# Altium PCB Board.PcbDoc (part 1 of 15)
Units mil, origin at the board's own origin, x right, y up, seen from the top; angles counter-clockwise.
Board outline 6379.64 x 4143.89 mil, 4 copper layers (Top Layer, GND, VCC, Bottom Layer); 316 components, 199 nets, 1077 pads, 596 vias.
Unrouted connection lines stored in the file: 268.
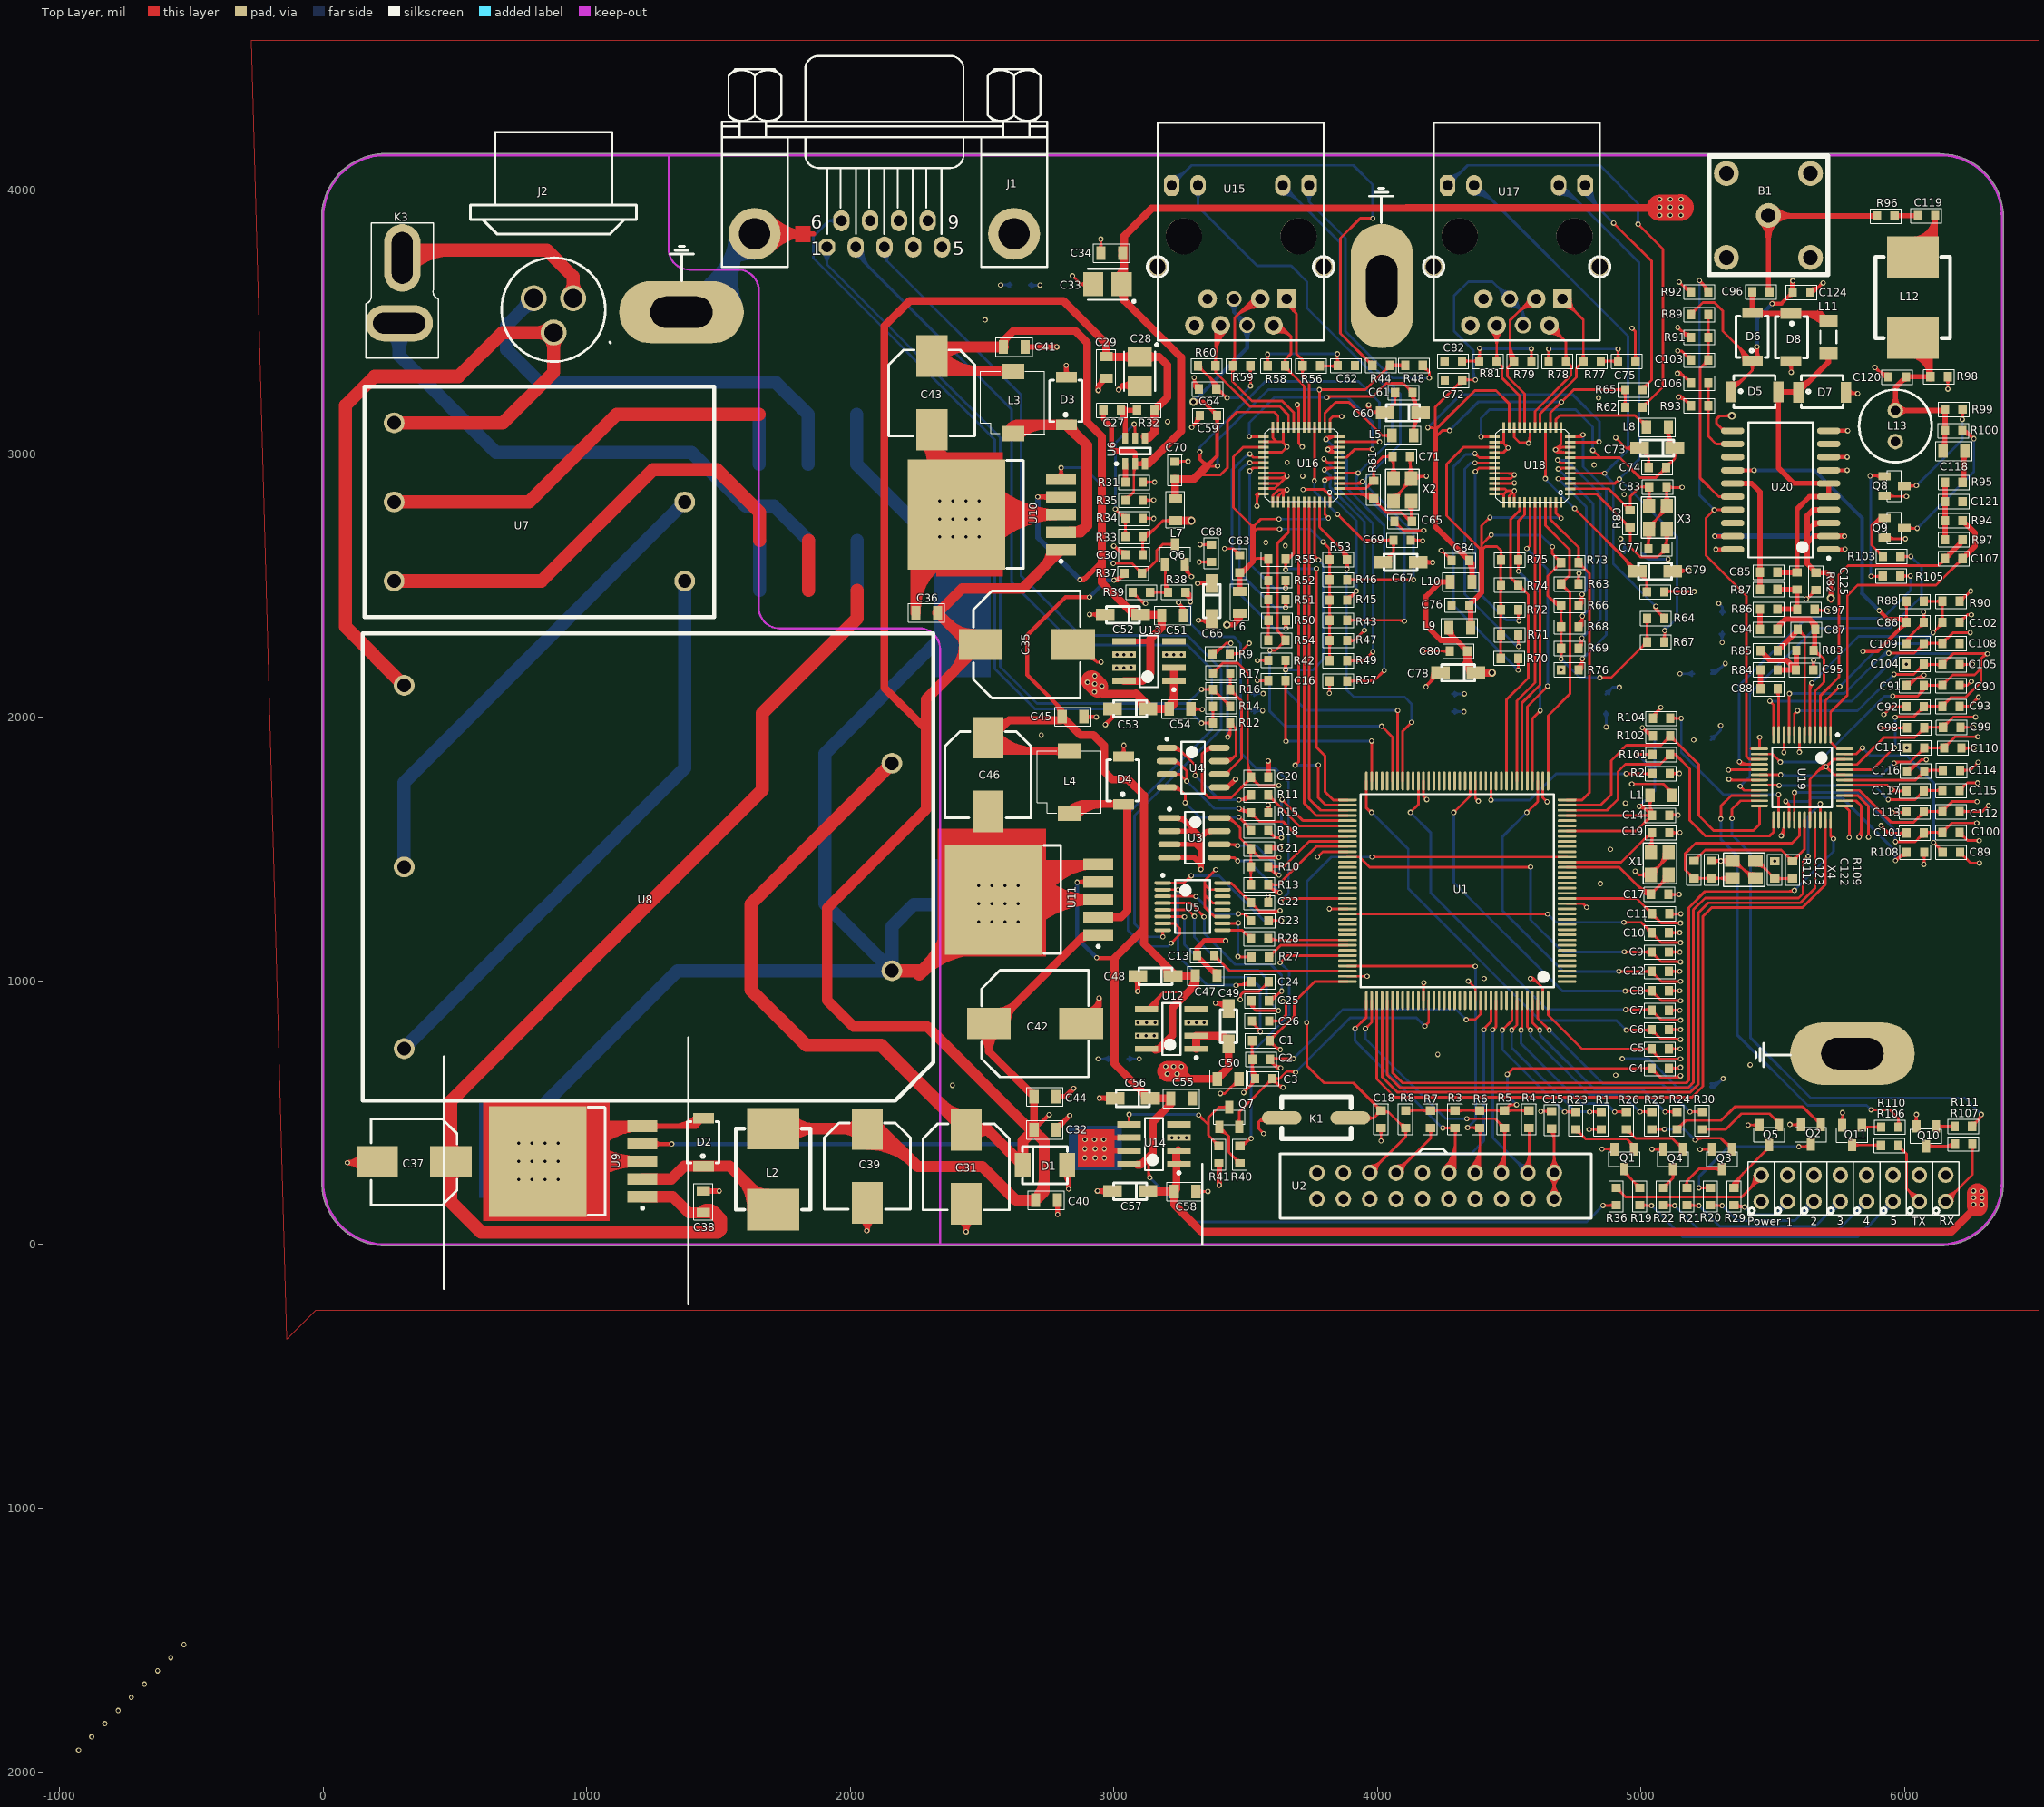
[diagram p0: Top Layer view]
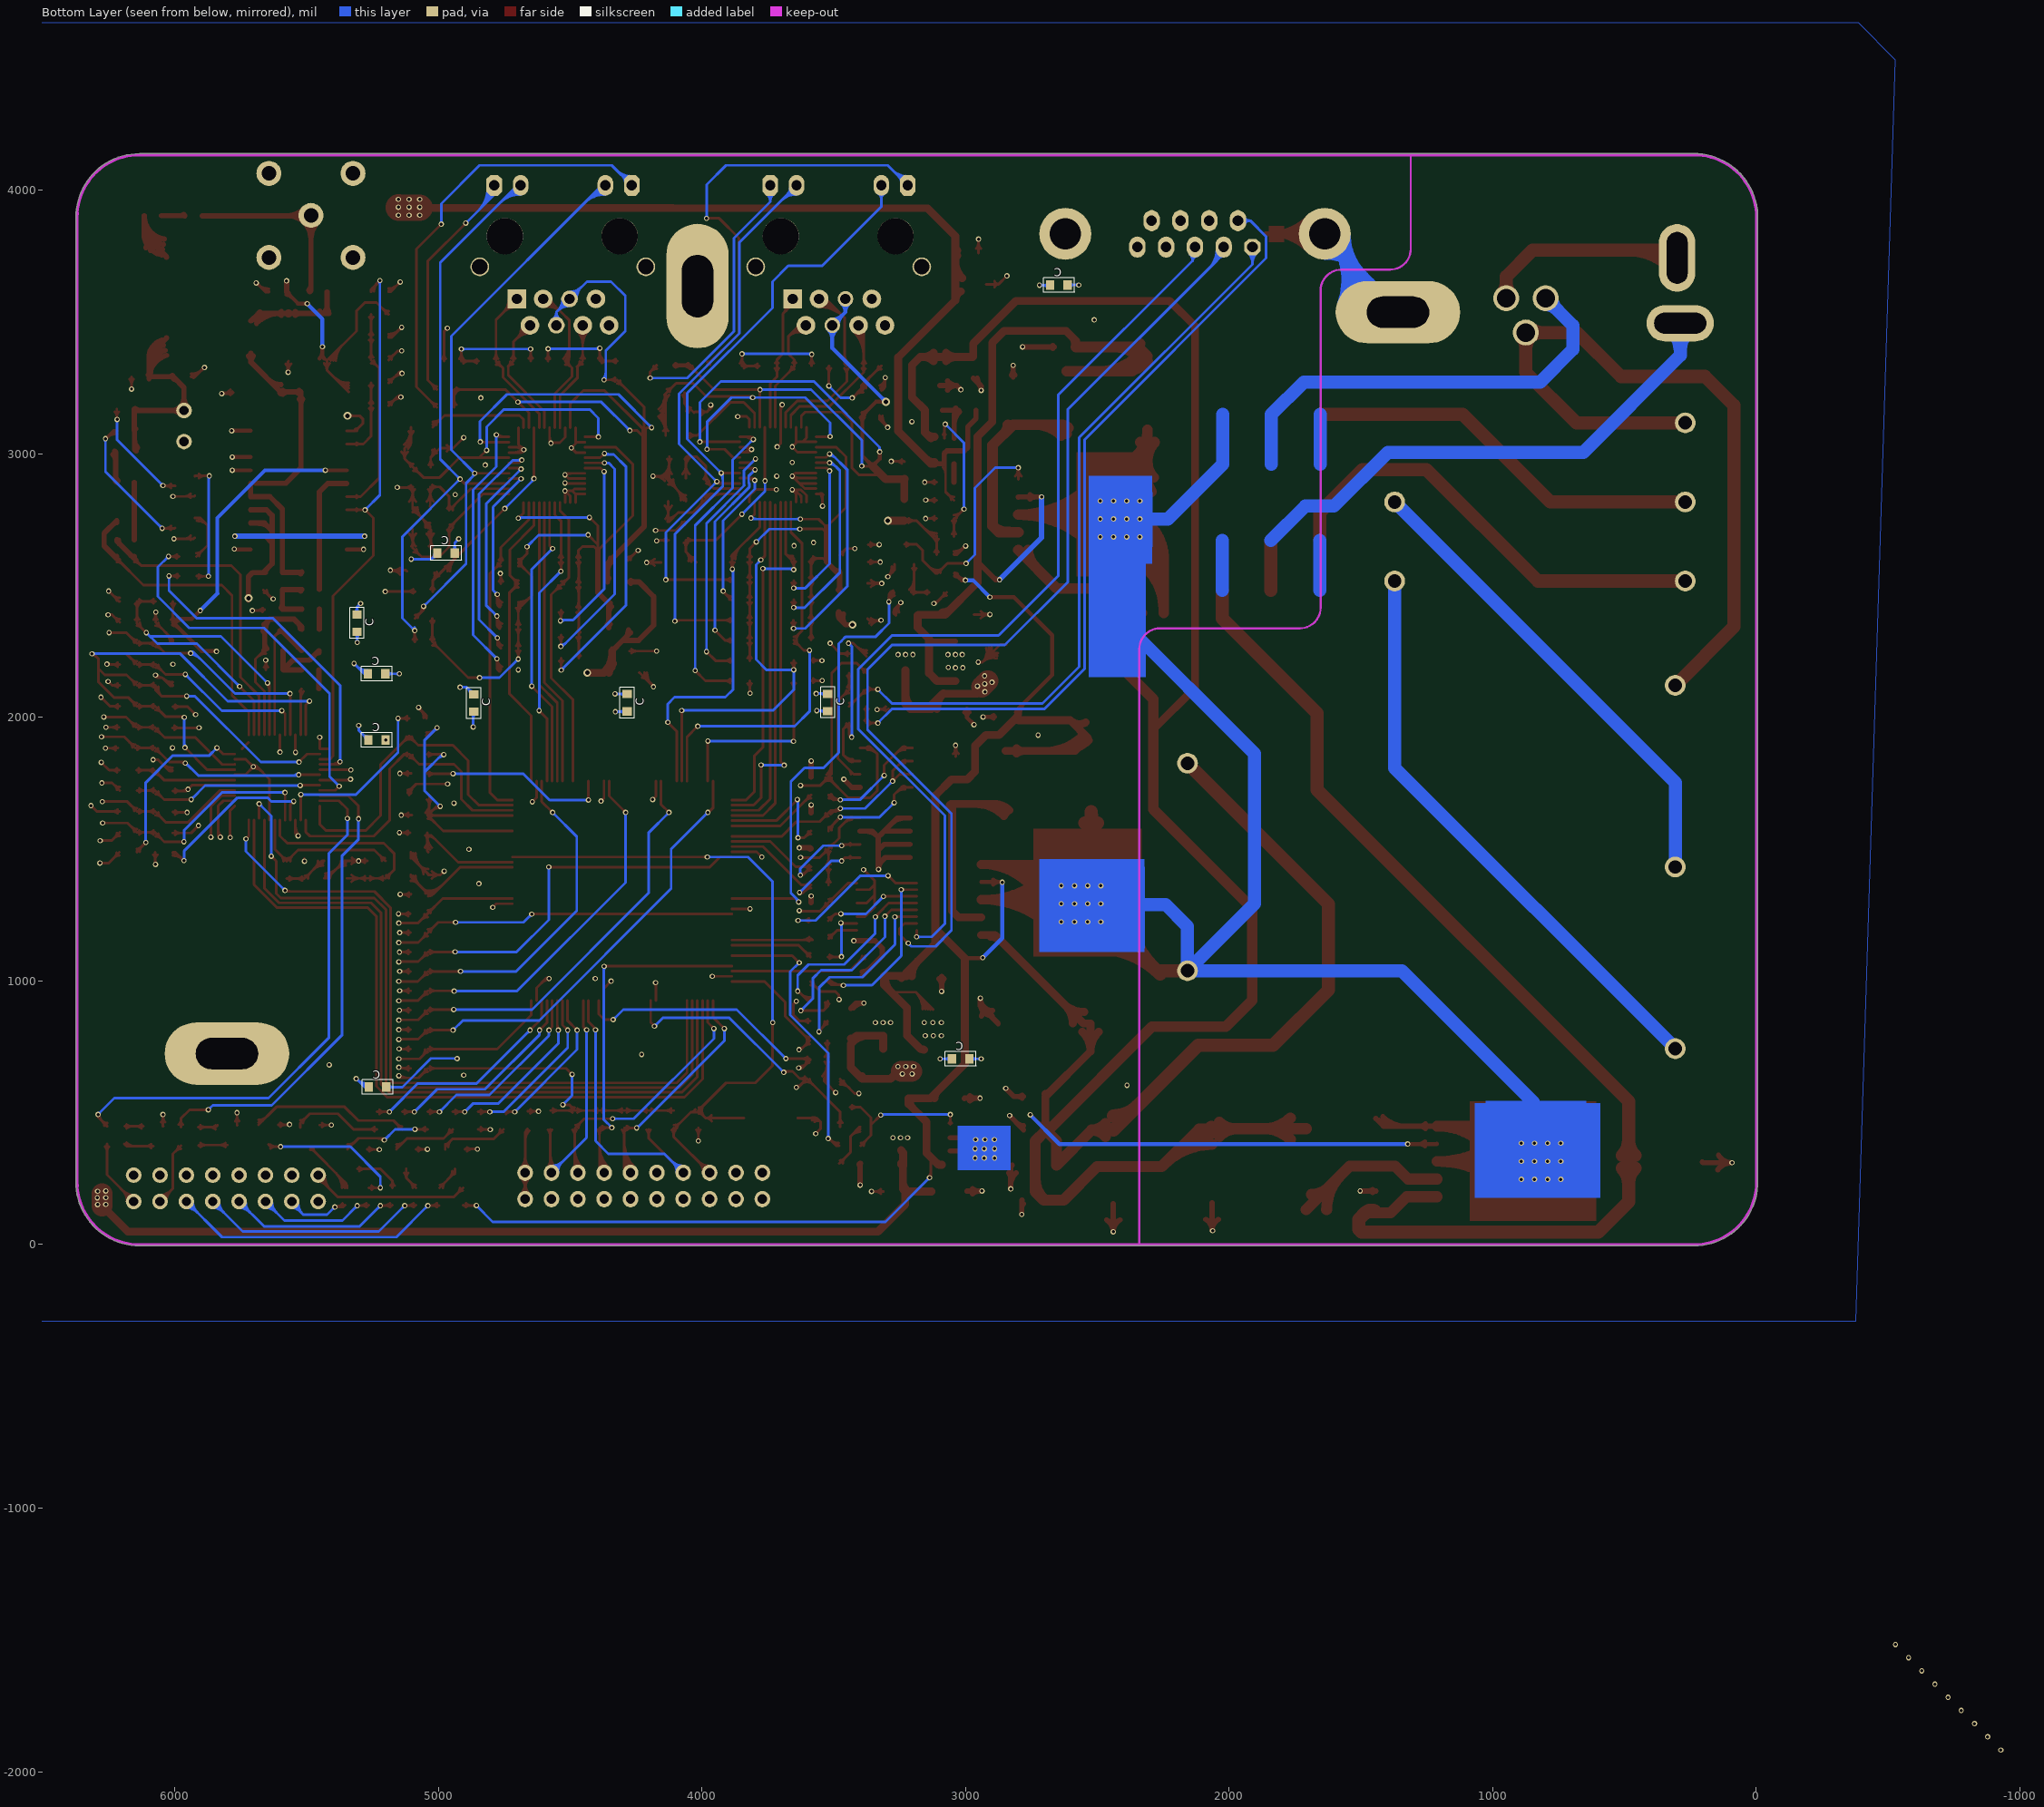
[diagram p1: Bottom Layer view, seen from below]
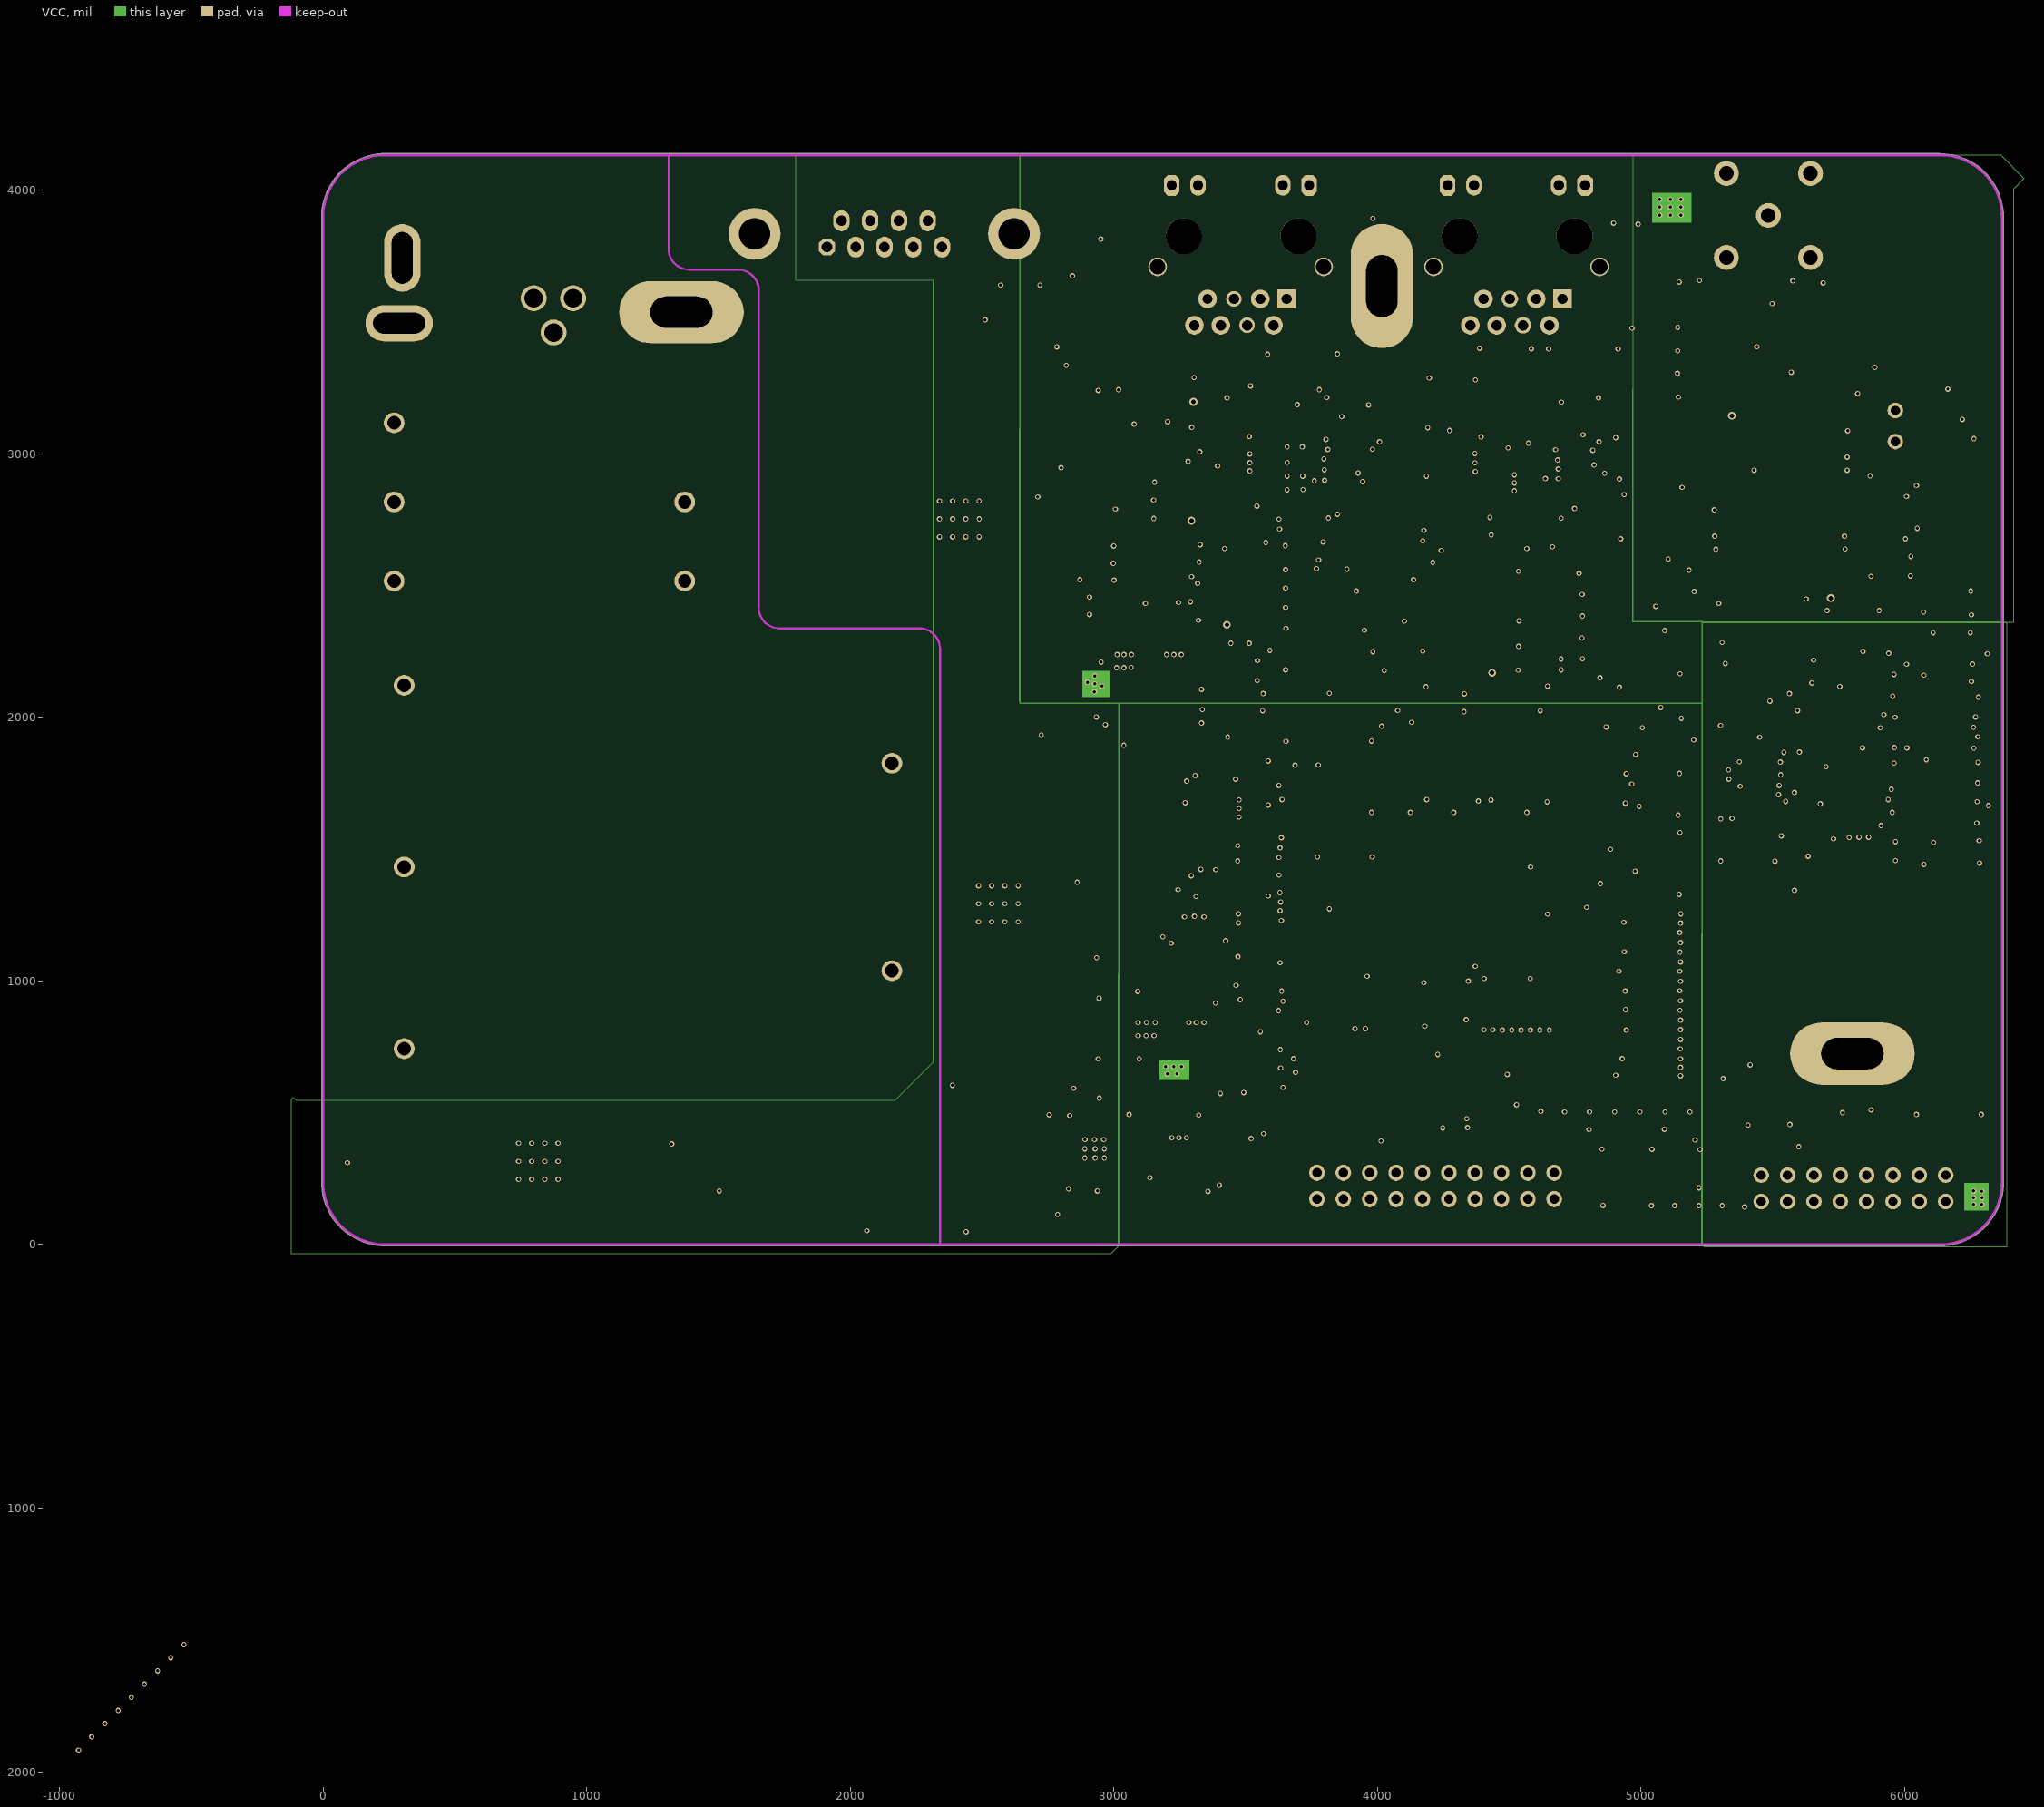
[diagram p2: VCC]

## Layer stack, top to bottom
Top Layer: signal copper 1.4
Dielectric: core 12.6, FR-4, Dk 4.8
GND: signal copper 1.4
Dielectric: prepreg 12.6, FR-4, Dk 4.8
VCC: signal copper 1.4
Dielectric: core 12.6, FR-4, Dk 4.8
Bottom Layer: signal copper 1.4

## Board outline
-4.75,224.83 cw(c0,226.45) -5.01,226.45 -5.01,3924.45 cw(c0,3924.45) -3.04,3928.44 cw(c236.22,3897.64) 220.37,4138.35 cw(c222.6,4133.86) 222.6,4138.87 6133.39,4138.87 cw(c6133.39,3897.64) 6374.23,3911.37 cw(c6369.6,3909.45) 6374.61,3909.45 6374.61,3899.59 cw(c6133.39,3897.64) 6374.62,3897.64 cw(c6369.61,3897.64) 6374.61,3897.36 6374.61,236.5 cw(c6369.61,236.22) 6374.62,236.22 cw(c6133.39,236.22) 6374.61,234.27 6374.61,225.45 cw(c6369.6,225.45) 6374.3,223.69 cw(c6133.39,236.22) 6133.39,-5.01 237.6,-5.01 cw(c237.6,0) 236.91,-4.97 cw(c236.22,0) 236.22,-5.01 cw(c236.22,236.22)

## Design rules (kind name [scope] priority, off if disabled: settings)
Clearance [All] p1: gap=8
DiffPairsRouting [All] p1: maxlimit=10 minlimit=10 mostfreqgap=10 maxuncoupledlength=500
HoleSize [All] p1: absolutevalues=TRUE maxlimit=500 minlimit=1 maxpercent=80.000 minpercent=20.000
MinimumSolderMaskSliver [All] p1: minsoldermaskwidth=0
PolygonConnect [All] p1: connectstyle=Relief reliefconductorwidth=10 reliefentries=4 polygonreliefangle="90 Angle"
RoutingVias [All] p1: holewidth=28 width=50 viastyle="Through Hole" minholewidth=28 minwidth=50 maxholewidth=28 maxwidth=50
SilkToSilkClearance [All] p1: silktosilkclearance=0
SilkscreenOverComponentPads SilkToSolderMaskClearance [IsPad] p1: minsilkscreentomaskgap=0
SolderMaskExpansion [All] p1: expansion=2
Width [All] p1: maxlimit=100 minlimit=10 preferedwidth=50
23 further rules are at their usual default settings.

## Classes and differential pairs
component class U_MCU: C1 C2 C3 C4 C5 C6 C7 C8 C9 C10 C11 C12 C13 C14 C15 C16 C17 C18 C19 K1 L1 R1 R2 R3 R4 R5 R6 R7 R8 U1 U2 X1
component class U_Module: 1 2 3 4 5 C20 C21 C22 C23 C24 C25 C26 J1 LED1 LED2 LED3 LED4 LED5 Q1 Q2 Q3 Q4 Q5 R9 R10 R11 R12 R13 R14 R15 R16 R17 R18 R19 R20 R21 R22 R23 R24 R25 R26 R27 R28 R29 R30 U3 U4 U5
component class U_Power: C27 C28 C29 C30 C31 C32 C33 C34 C35 C36 C37 C38 C39 C40 C41 C42 C43 C44 C45 C46 C47 C48 C49 C50 C51 C52 C53 C54 C55 C56 C57 C58 D1 D2 D3 D4 J2 K2 K3 K4 L2 L3 L4 LED6 Power Q6 Q7 R31 R32 R33 R34 R35 R36 R37 R38 R39 R40 R41 U6 U7 U8 U9 U10 U11 U12 U13 U14
component class U_RJ45-1: C59 C60 C61 C62 C63 C64 C65 C66 C67 C68 C69 C70 C71 L5 L6 L7 R42 R43 R44 R45 R46 R47 R48 R49 R50 R51 R52 R53 R54 R55 R56 R57 R58 R59 R60 R61 U15 U16 X2
component class U_RJ45-2: C72 C73 C74 C75 C76 C77 C78 C79 C80 C81 C82 C83 C84 L8 L9 L10 R62 R63 R64 R65 R66 R67 R68 R69 R70 R71 R72 R73 R74 R75 R76 R77 R78 R79 R80 R81 U17 U18 X3
component class U_SM2200: B1 C85 C86 C87 C88 C89 C90 C91 C92 C93 C94 C95 C96 C97 C98 C99 C100 C101 C102 C103 C104 C105 C106 C107 C108 C109 C110 C111 C112 C113 C114 C115 C116 C117 C118 C119 C120 C121 C122 C123 C124 C125 D5 D6 D7 D8 L11 L12 L13 LED7 LED8 Q8 Q9 Q10 Q11 R82 R83 R84 R85 R86 R87 R88 R89 R90 R91 R92 R93 R94 R95 R96 R97 R98 R99 R100 R101 R102 R103 R104 R105 R106 R107 R108 R109 R110 R111 R112 RX TX U19 U20 X4
differential pair RS485: +RS485_P -RS485_N
differential pair RX1: +RX1_P -RX1_N
differential pair RX2: +RX2_P -RX2_N
differential pair TX1: +TX1_P -TX1_N
differential pair TX2: +TX2_P -TX2_N

## Components (designator, comment, footprint, x,y, rotation, side; value= is the part's Value field where it differs from the comment)
1 "LED" 外插小灯 5555.6,263.45 r270 top (schematic designator LED5)
2 "LED" 外插小灯 5655.6,263.45 r270 top (schematic designator LED2)
3 "LED" 外插小灯 5755.6,263.45 r270 top (schematic designator LED3)
4 "LED" 外插小灯 5855.6,263.45 r270 top (schematic designator LED4)
5 "LED" 外插小灯 5955.6,263.45 r270 top (schematic designator LED1)
B1 "BNC" BNC 5483.98,3903.45 r0 top
C "Comment" 0603 5308.6,2390.45 r270 bottom
C "Comment" 0603 5003.6,2623.45 r180 bottom
C "Comment" 0603 5265.6,1914.45 r180 bottom
C "Comment" 0603 5263.6,597.45 r180 bottom
C "Comment" 0603 3051.6,704.45 r180 bottom
C "Comment" 0603 4865.6,2087.45 r270 bottom
C "Comment" 0603 4283.6,2088.45 r270 bottom
C "Comment" 0603 5266.6,2165.45 r180 bottom
C "Comment" 0603 3522.6,2089.45 r270 bottom
C "Comment" 0603 2678.6,3640.45 r180 bottom
C1 "Capacitor-0805" 0603 3524.6,773.45 r0 top
C2 "Capacitor-0805" 0603 3526.6,702.45 r0 top
C3 "Capacitor-0805" 0603 3535.6,629.45 r0 top
C4 "Capacitor-0805" 0603 5105.45,668.45 r180 top
C5 "Capacitor-0805" 0603 5105.45,742.02 r180 top
C6 "Capacitor-0805" 0603 5105.45,815.59 r180 top
C7 "Capacitor-0805" 0603 5105.45,889.16 r180 top
C8 "Capacitor-0805" 0603 5105.45,962.73 r180 top
C9 "Capacitor-0805" 0603 5105.45,1109.87 r180 top
C10 "Capacitor-0805" 0603 5105.45,1183.44 r180 top
C11 "Capacitor-0805" 0603 5106.6,1255.45 r180 top
C12 "Capacitor-0805" 0603 5105.45,1036.3 r180 top
C13 "Capacitor-0603" 0603 3315.6,1096.45 r0 top
C14 "Capacitor-0805" 0603 5106.6,1628.45 r180 top
C15 "Capacitor-0805" 0603 4660.6,505.45 r270 top
C16 "Capacitor-0603" 0603 3585.6,2139.45 r0 top
C17 "Capacitor-0805" 0603 5103.6,1329.45 r180 top
C18 "Capacitor-0805" 0603 4013.6,442.45 r90 top
C19 "Capacitor-0805" 0603 5107.6,1562.45 r180 top
C20 "Capacitor-0603" 0603 3519.75,1773.45 r0 top
C21 "Capacitor-0603" 0603 3585.6,1501.78 r180 top
C22 "Capacitor-0603" 0603 3585.6,1297.62 r180 top
C23 "Capacitor-0603" 0603 3520.6,1228.45 r0 top
C24 "Capacitor-0603" 0603 3521.6,997.45 r0 top
C25 "Capacitor-0603" 0603 3522.6,924.45 r0 top
C26 "Capacitor-0603" 0603 3523.6,848.45 r0 top
C27 "Capacitor-0805" 0603 3026.6,3165.45 r180 top
C28 "电解电容" 3528 3097.6,3367.45 r270 top
C29 "Capacitor-0805" 0805 2970.6,3286.45 r90 top
C30 "Capacitor-0805" 0603 3043.75,2617.45 r0 top
C31 "电解电容" 贴片铝电容-8*10.3 2439.6,131.45 r90 top
C32 "Capacitor-0805" 0805 2779.6,435.45 r180 top
C33 "电解电容" 3528 3029.6,3643.45 r180 top
C34 "Capacitor-0805" 0805 2950.6,3761.45 r0 top
C35 "电解电容" 贴片铝电容-10*10 2872.6,2276.45 r180 top
C36 "Capacitor-0805" 0805 2248.6,2396.45 r0 top
C37 "电解电容" 贴片铝电容-8*10.3 181.6,313.45 r0 top
C38 "Capacitor-0805" 0805 1442.6,203.45 r270 top
C39 "电解电容" 贴片铝电容-8*10.3 2064.6,134.45 r90 top
C40 "Capacitor-0805" 0805 2785.6,168.45 r180 top
C41 "Capacitor-0805" 0805 2663.6,3405.45 r180 top
C42 "电解电容" 贴片铝电容-10*10 2903.6,838.45 r180 top
C43 "电解电容" 贴片铝电容-8*10.3 2309.6,3067.45 r90 top
C44 "Capacitor-0805" 0805 2779.6,561.45 r180 top
C45 "Capacitor-0805" 0805 2886.6,2002.45 r180 top
C46 "电解电容" 贴片铝电容-8*10.3 2522.6,1619.45 r90 top
C47 "Capacitor-0805" 0805 3308.6,1019.45 r0 top
C48 "电解电容" 钽电容1206（A3216） 3220.6,1017.45 r180 top
C49 "电解电容" 钽电容1206（A3216） 3435.6,765.45 r90 top
C50 "Capacitor-0805" 0805 3392.6,628.45 r0 top
C51 "Capacitor-0805" 0805 3181.6,2386.45 r0 top
C52 "电解电容" 钽电容1206（A3216） 3097.6,2389.45 r180 top
C53 "电解电容" 钽电容1206（A3216） 3124.6,2032.45 r180 top
C54 "Capacitor-0805" 0805 3209.6,2032.45 r0 top
C55 "Capacitor-0805" 0805 3215.6,554.45 r0 top
C56 "电解电容" 钽电容1206（A3216） 3134.6,554.45 r180 top
C57 "电解电容" 钽电容1206（A3216） 3124.6,202.45 r180 top
C58 "Capacitor-0805" 0805 3228.6,201.45 r0 top
C59 "Capacitor-0603" 0603 3391.6,3145.45 r180 top
C60 "电解电容" 钽电容1206（A3216） 4159.6,3155.45 r180 top
C61 "Capacitor-0603" 0603 4066.6,3232.45 r0 top
C62 "Capacitor-0603" 0603 3848.6,3334.45 r0 top
C63 "Capacitor-0603" 0603 3477.6,2549.45 r90 top
C64 "Capacitor-0603" 0603 3388.6,3246.45 r180 top
C65 "Capacitor-0603" 0603 4064.6,2743.45 r0 top
C66 "电解电容" 钽电容1206（A3216） 3371.6,2504.45 r270 top
C67 "电解电容" 钽电容1206（A3216） 4024.6,2588.45 r0 top
C68 "Capacitor-0603" 0603 3369.6,2655.45 r270 top
C69 "Capacitor-0603" 0603 4126.6,2672.45 r180 top
C70 "Capacitor-0603" 0603 3231.6,2904.45 r90 top
C71 "Capacitor-0603" 0603 4123.6,2989.45 r180 top
C72 "Capacitor-0603" 0603 4321.6,3279.45 r180 top
C73 "电解电容" 钽电容1206（A3216） 5123.6,3021.45 r180 top
C74 "Capacitor-0603" 0603 5028.6,2948.45 r0 top
C75 "Capacitor-0603" 0603 4912.6,3351.45 r0 top
C76 "Capacitor-0603" 0603 4347.6,2426.45 r180 top
C77 "Capacitor-0603" 0603 5027.6,2639.45 r0 top
C78 "电解电容" 钽电容1206（A3216） 4368.6,2169.45 r180 top
C79 "电解电容" 钽电容1206（A3216） 4989.6,2554.45 r0 top
C80 "Capacitor-0603" 0603 4274.6,2251.45 r0 top
C81 "Capacitor-0603" 0603 5087.6,2476.45 r180 top
C82 "Capacitor-0603" 0603 4320.6,3352.01 r180 top
C83 "Capacitor-0603" 0603 5096.6,2874.45 r180 top
C84 "Capacitor-0603" 0603 4347.6,2595.45 r180 top
C85 "Capacitor-0603" 0603 5517.6,2551.45 r180 top
C86 "Capacitor-0603" 0603 6072.45,2360.59 r180 top
C87 "Capacitor-0603" 0603 5660.6,2334.45 r180 top
C88 "Capacitor-0603" 0603 5452.6,2108.45 r0 top
C89 "Capacitor-0805" 0603 6209.6,1488.45 r180 top
C90 "Capacitor-0805" 0603 6208.6,2121.54 r180 top
C91 "Capacitor-0805" 0603 6006.6,2120.46 r0 top
C92 "Capacitor-0805" 0603 6006.6,2040.6 r0 top
C93 "Capacitor-0805" 0603 6208.6,2041.81 r180 top
C94 "Capacitor-0603" 0603 5451.6,2334.45 r0 top
C95 "Capacitor-0603" 0603 5653.6,2180.45 r180 top
C96 "Capacitor-0603" 0603 5487.6,3614.45 r180 top
C97 "Capacitor-0603" 0603 5592.6,2409.45 r0 top
C98 "Capacitor-0805" 0603 6008.6,1960.45 r0 top
C99 "Capacitor-0805" 0603 6211.6,1962.45 r180 top
C100 "Capacitor-0805" 0603 6208.6,1563.45 r180 top
C101 "Capacitor-0805" 0603 6006.6,1561.45 r0 top
C102 "Capacitor-0603" 0603 6208.6,2360.72 r180 top
C103 "Capacitor-0603" 0603 5254.6,3355.81 r180 top
C104 "Capacitor-0805" 0603 6006.6,2201.45 r0 top
C105 "Capacitor-0805" 0603 6208.6,2200.45 r180 top
C106 "Capacitor-0603" 0603 5188.75,3268.85 r0 top
C107 "Capacitor-0603" 0603 6219.6,2602.45 r180 top
C108 "Capacitor-0805" 0603 6208.6,2280.99 r180 top
C109 "Capacitor-0805" 0603 6006.6,2280.17 r0 top
C110 "Capacitor-0805" 0603 6215.6,1884.45 r180 top
C111 "Capacitor-0805" 0603 6008.6,1884.45 r0 top
C112 "Capacitor-0805" 0603 6208.6,1643.18 r180 top
C113 "Capacitor-0805" 0603 6006.6,1641.31 r0 top
C114 "Capacitor-0805" 0603 6210.6,1799.45 r180 top
C115 "Capacitor-0805" 0603 6208.6,1722.9 r180 top
C116 "Capacitor-0805" 0603 6008.6,1796.45 r0 top
C117 "Capacitor-0805" 0603 6006.6,1721.17 r0 top
C118 "Capacitor-0603" 0805 6145.6,3010.45 r0 top
C119 "Capacitor-0603" 0603 6049.6,3903.45 r0 top
C120 "Capacitor-0603" 0603 6004.6,3291.45 r180 top
C121 "Capacitor-0603" 0603 6153.75,2818.64 r0 top
C122 "Capacitor-0805" 0603 5507.6,1388.45 r90 top
C123 "Capacitor-0805" 0603 5268.6,1389.45 r90 top
C124 "Capacitor-0603" 0603 5641.6,3613.45 r180 top
C125 "Capacitor-0603" 0603 5663.6,2483.45 r90 top
D1 "SMBJ20A" SMBJ20A 2822.6,301.45 r180 top
D2 "IN5824" IN5824 1443.6,478.45 r270 top
D3 "IN5824" IN5824 2819.6,3291.45 r270 top
D4 "IN5824" IN5824 3036.6,1851.45 r270 top
D5 "SSA34" IN5824 5520.6,3234.45 r180 top
D6 "SSA34" IN5824 5422.6,3534.45 r270 top
D7 "SSA34" IN5824 5777.6,3233.45 r180 top
D8 "SSA34" IN5824 5568.6,3351.45 r90 top
J1 "DB9" DB9 1911.46,3784.45 r0 top
J2 "三脚航空插头" 三脚航空插头 799.41,3590.16 r0 top
K1 "按键" 贴片按键 3636.6,480.45 r0 top
K3 "开关" T型接头 300.6,3743.45 r270 top
L1 "Inductor" 0805 5116.6,1704.45 r180 top
L2 "Inductor" Inductor(7.8*7*5) 1707.6,132.45 r90 top
L3 "Inductor" "SLF6025   电感" 2616.6,3076.45 r180 top
L4 "Inductor" "SLF6025   电感" 2830.6,1636.45 r180 top
L5 "Inductor" 0805 4054.6,3069.45 r0 top
L6 "Inductor" 0805 3477.6,2395.45 r90 top
L7 "Inductor" 0805 3232.6,2746.45 r90 top
L8 "Inductor" 0805 5020.6,3101.45 r0 top
L9 "Inductor" 0805 4270.6,2340.45 r0 top
L10 "Inductor" 0805 4275.6,2514.45 r0 top
L11 "Inductor" 1206 5710.6,3442.45 r90 top
L12 "Inductor" Inductor(7.8*7*5) 6030.6,3439.45 r90 top
L13 "Inductor" 工字电感0608 5964.6,3046.45 r90 top
Power "LED" 外插小灯 5455.6,263.45 r270 top (schematic designator LED6)
Q1 "BC847" BC847B 4973.6,361.45 r270 top
Q2 "BC847" BC847B 5681.6,454.45 r270 top
Q3 "BC847" BC847B 5344.6,361.45 r270 top
Q4 "BC847" BC847B 5159.1,361.45 r270 top
Q5 "BC847" BC847B 5523.6,453.45 r270 top
Q6 "BC847" BC847B 3194.6,2581.45 r90 top
Q7 "BC587B" BC847B 3400.6,446.45 r90 top
Q8 "BC847" BC847B 5923.6,2915.45 r0 top
Q9 "BC847" BC847B 5923.6,2756.45 r0 top
Q10 "BC847" BC847B 6118.6,448.45 r270 top
Q11 "BC847" BC847B 5837.6,452.45 r270 top
R1 "Resistor-0805" 0603 4848.6,437.45 r90 top
R2 "Resistor-0805" 0603 5108.6,1787.45 r180 top
R3 "Resistor-0805" 0603 4294.1,442.45 r90 top
R4 "Resistor-0805" 0603 4574.6,442.45 r90 top
R5 "Resistor-0805" 0603 4481.1,442.45 r90 top
R6 "Resistor-0805" 0603 4387.6,442.45 r90 top
R7 "Resistor-0805" 0603 4200.6,442.45 r90 top